# KiCad board 9W_SYSKA.kicad_pcb (continued)
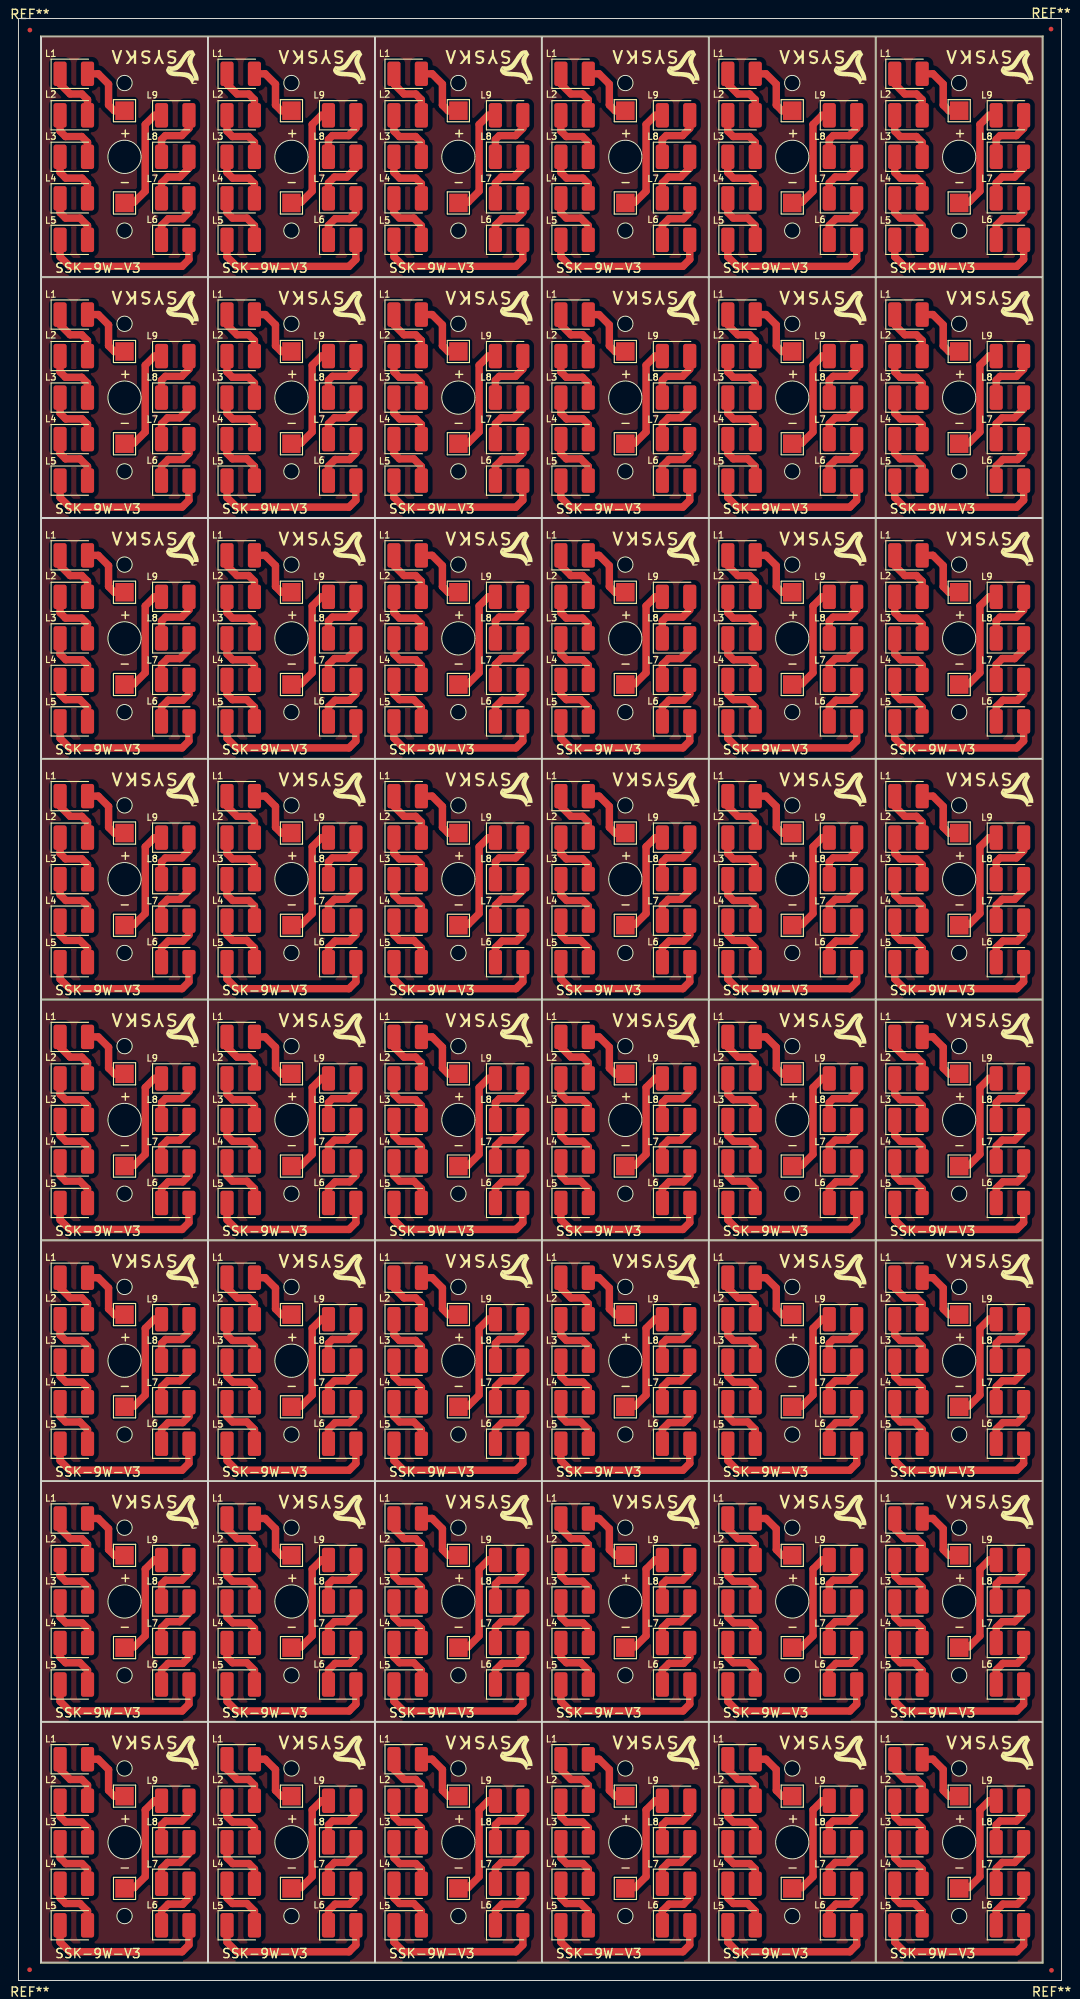
[diagram p0: board, top side]
## Routing (per net, layer and track width the routed paths; a pad name or vN(x,y) marks a point on that pad's centre or on a via; arc(x,y) is an arc through that point) (continued)
Net-(L4-K): length 319
  Top w0.8: L4#4.1 58.81,165.55 59.41,164.95 60.97,164.95 61.79,164.13 L5#24.2 ; L4#27.1 95.01,165.55 95.61,164.95 97.17,164.95 97.99,164.13 L5#27.2 ; 40.72,114.89 40.72,113.35 41.31,112.75 42.87,112.75 43.69,111.93 L5#38.2 ; L5#43.2 43.69,59.73 42.87,60.55 41.31,60.55 40.72,61.15 40.72,62.69 ; L4#5.1 22.61,8.95 23.21,8.35 24.77,8.35 25.59,7.53 L5#32.2 ; L4#16.1 95.01,8.95 95.61,8.35 97.17,8.35 97.99,7.53 L5#5.2 ; L5#6.2 43.69,7.53 42.87,8.35 41.31,8.35 40.72,8.95 40.72,10.49 ; L4#21.1 76.91,191.65 77.51,191.05 79.07,191.05 79.89,190.23 L5.2 ; L5#9.2 79.89,138.03 79.07,138.85 77.51,138.85 76.91,139.45 L4#25.1 ; L4#18.1 40.71,139.45 41.31,138.85 42.87,138.85 43.69,138.03 L5#46.2 ; L5#15.2 61.79,7.53 60.97,8.35 59.41,8.35 58.81,8.95 L4#45.1 ; L5#39.2 7.49,111.93 6.67,112.75 5.11,112.75 4.52,113.35 L4#39.1 ; L5#26.2 79.89,111.93 79.07,112.75 77.51,112.75 76.91,113.35 L4#3.1 ; L4#7.1 22.61,61.15 23.21,60.55 24.77,60.55 25.59,59.73 L5#33.2 ; L5#36.2 97.99,138.03 97.17,138.85 95.61,138.85 95.01,139.45 L4.1 ; L5#14.2 79.89,85.83 79.07,86.65 77.51,86.65 76.91,87.25 L4#31.1 ; L5#41.2 7.49,164.13 6.67,164.95 5.11,164.95 4.51,165.55 L4#8.1 ; L5#34.2 97.99,33.63 97.17,34.45 95.61,34.45 95.01,35.05 L4#10.1 ; L4#24.1 22.61,165.55 23.21,164.95 24.77,164.95 25.59,164.13 L5#25.2 ; L4#36.1 22.61,87.25 23.21,86.65 24.77,86.65 25.59,85.83 L5#45.2 ; L5#8.2 7.49,138.03 6.67,138.85 5.11,138.85 4.51,139.45 L4#35.1 ; L5#44.2 79.89,59.73 79.07,60.55 77.51,60.55 76.91,61.15 L4#42.1 ; L5#12.2 79.89,33.63 79.07,34.45 77.51,34.45 76.91,35.05 L4#14.1 ; L4#29.1 4.51,191.65 5.11,191.05 6.67,191.05 7.49,190.23 L5#29.2 ; L4#12.1 4.52,8.95 5.11,8.35 6.67,8.35 7.49,7.53 L5#18.2 ; L5#13.2 61.79,111.93 60.97,112.75 59.41,112.75 58.81,113.35 L4#22.1 ; L5#3.2 97.99,59.73 97.17,60.55 95.61,60.55 95.01,61.15 L4#48.1 ; L5#4.2 43.69,33.63 42.87,34.45 41.31,34.45 40.72,35.05 40.72,36.59 ; L4#20.1 4.52,87.25 5.11,86.65 6.67,86.65 7.49,85.83 L5#48.2 ; L5#7.2 25.59,190.23 24.77,191.05 23.21,191.05 22.61,191.65 L4#40.1 ; L5#42.2 97.99,190.23 97.17,191.05 95.61,191.05 95.01,191.65 L4#28.1 ; L4#33.1 22.61,35.05 23.21,34.45 24.77,34.45 25.59,33.63 L5#19.2 ; L5#16.2 61.79,85.83 60.97,86.65 59.41,86.65 58.81,87.25 L4#11.1 ; L5#28.2 43.69,164.13 42.87,164.95 41.31,164.95 40.71,165.55 L4#19.1 ; L4#34.1 76.91,165.55 77.51,164.95 79.07,164.95 79.89,164.13 L5#20.2 ; L5#2.2 61.79,59.73 60.97,60.55 59.41,60.55 58.81,61.15 L4#32.1 ; L5#10.2 25.59,138.03 24.77,138.85 23.21,138.85 22.61,139.45 L4#6.1 ; L5#30.2 61.79,190.23 60.97,191.05 59.41,191.05 58.81,191.65 L4#15.1 ; L5#11.2 7.49,33.63 6.67,34.45 5.11,34.45 4.52,35.05 L4#17.1 ; L5#22.2 97.99,85.83 97.17,86.65 95.61,86.65 95.01,87.25 L4#41.1 ; L5#37.2 79.89,7.53 79.07,8.35 77.51,8.35 76.91,8.95 L4#23.1 ; L4#38.1 95.01,113.35 95.61,112.75 97.17,112.75 97.99,111.93 L5#23.2 ; L5#40.2 61.79,138.03 60.97,138.85 59.41,138.85 58.81,139.45 L4#47.1 ; L4#26.1 4.52,61.15 5.11,60.55 6.67,60.55 7.49,59.73 L5#21.2 ; 40.72,88.79 40.72,87.25 41.31,86.65 42.87,86.65 43.69,85.83 L5#31.2 ; L4#30.1 58.81,35.05 59.41,34.45 60.97,34.45 61.79,33.63 L5#17.2 ; L5#47.2 25.59,111.93 24.77,112.75 23.21,112.75 22.61,113.35 L4#46.1 ; L5#35.2 43.69,190.23 42.87,191.05 41.31,191.05 40.71,191.65 L4#44.1
Net-(L5-K): length 895.8
  Top w0.8: L6.2 72.79,56.07 72.04,55.32 59.86,55.32 58.81,56.37 L5#2.1 ; L5#44.1 76.91,56.37 77.96,55.32 90.14,55.32 90.89,56.07 L6#39.2 ; L5#18.1 4.52,4.17 5.56,3.12 17.74,3.12 18.49,3.87 L6#6.2 ; L6#9.2 36.59,56.07 35.84,55.32 23.66,55.32 22.61,56.37 L5#33.1 ; L6#29.2 72.79,82.17 72.04,81.42 59.86,81.42 58.81,82.47 L5#16.1 ; L6#20.2 90.89,29.97 90.14,29.22 77.96,29.22 76.91,30.27 L5#12.1 ; L6#30.2 72.79,108.27 72.04,107.52 59.86,107.52 58.81,108.57 L5#13.1 ; L6#31.2 54.69,82.17 53.94,81.42 41.76,81.42 40.72,82.47 40.72,84.29 ; L5#28.1 40.71,160.77 41.76,159.72 53.94,159.72 54.69,160.47 L6#47.2 ; L5#17.1 58.81,30.27 59.86,29.22 72.04,29.22 72.79,29.97 L6#46.2 ; L6#48.2 54.69,56.07 53.94,55.32 41.76,55.32 40.72,56.37 40.72,58.19 ; L5#41.1 4.51,160.77 5.56,159.72 17.74,159.72 18.49,160.47 L6#26.2 ; L6#38.2 18.49,56.07 17.74,55.32 5.56,55.32 4.52,56.37 L5#21.1 ; L6#33.2 72.79,160.47 72.04,159.72 59.86,159.72 58.81,160.77 L5#24.1 ; L6#25.2 72.79,134.37 72.04,133.62 59.86,133.62 58.81,134.67 L5#40.1 ; L6#7.2 36.59,3.87 35.84,3.12 23.66,3.12 22.61,4.17 L5#32.1 ; L5#34.1 95.01,30.27 96.06,29.22 108.24,29.22 108.99,29.97 L6#2.2 ; L5#19.1 22.61,30.27 23.66,29.22 35.84,29.22 36.59,29.97 L6#8.2 ; L6#15.2 18.49,29.97 17.74,29.22 5.56,29.22 4.52,30.27 L5#11.1 ; L5#20.1 76.91,160.77 77.96,159.72 90.14,159.72 90.89,160.47 L6#11.2 ; L6#22.2 108.99,82.17 108.24,81.42 96.06,81.42 95.01,82.47 L5#22.1 ; L6#34.2 108.99,186.57 108.24,185.82 96.06,185.82 95.01,186.87 L5#42.1 ; L6#3.2 36.59,134.37 35.84,133.62 23.66,133.62 22.61,134.67 L5#10.1 ; 40.72,5.99 40.72,4.17 41.76,3.12 53.94,3.12 54.69,3.87 L6#43.2 ; L5#30.1 58.81,186.87 59.86,185.82 72.04,185.82 72.79,186.57 L6#23.2 ; L5#8.1 4.51,134.67 5.56,133.62 17.74,133.62 18.49,134.37 L6#13.2 ; L5#35.1 40.71,186.87 41.76,185.82 53.94,185.82 54.69,186.57 L6#40.2 ; L6#10.2 54.69,108.27 53.94,107.52 41.76,107.52 40.72,108.57 40.72,110.39 ; L6#41.2 18.49,82.17 17.74,81.42 5.56,81.42 4.52,82.47 L5#48.1 ; L5#14.1 76.91,82.47 77.96,81.42 90.14,81.42 90.89,82.17 L6#16.2 ; L5#7.1 22.61,186.87 23.66,185.82 35.84,185.82 36.59,186.57 L6#17.2 ; L6#19.2 90.89,108.27 90.14,107.52 77.96,107.52 76.91,108.57 L5#26.1 ; L5#9.1 76.91,134.67 77.96,133.62 90.14,133.62 90.89,134.37 L6#18.2 ; L5#39.1 4.52,108.57 5.56,107.52 17.74,107.52 18.49,108.27 L6#44.2 ; L6#21.2 72.79,3.87 72.04,3.12 59.86,3.12 58.81,4.17 L5#15.1 ; L6#37.2 36.59,108.27 35.84,107.52 23.66,107.52 22.61,108.57 L5#47.1 ; L5#45.1 22.61,82.47 23.66,81.42 35.84,81.42 36.59,82.17 L6#12.2 ; L6#14.2 54.69,134.37 53.94,133.62 41.76,133.62 40.71,134.67 L5#46.1 ; L5#37.1 76.91,4.17 77.96,3.12 90.14,3.12 90.89,3.87 L6#5.2 ; L5#27.1 95.01,160.77 96.06,159.72 108.24,159.72 108.99,160.47 L6#36.2 ; 40.72,32.09 40.72,30.27 41.76,29.22 53.94,29.22 54.69,29.97 L6#4.2 ; L5#5.1 95.01,4.17 96.06,3.12 108.24,3.12 108.99,3.87 L6#24.2 ; L6#32.2 36.59,160.47 35.84,159.72 23.66,159.72 22.61,160.77 L5#25.1 ; L6#45.2 18.49,186.57 17.74,185.82 5.56,185.82 4.51,186.87 L5#29.1 ; L5.1 76.91,186.87 77.96,185.82 90.14,185.82 90.89,186.57 L6#28.2 ; L5#3.1 95.01,56.37 96.06,55.32 108.24,55.32 108.99,56.07 L6#35.2 ; L6#27.2 108.99,108.27 108.24,107.52 96.06,107.52 95.01,108.57 L5#23.1 ; L6#42.2 108.99,134.37 108.24,133.62 96.06,133.62 95.01,134.67 L5#36.1
Net-(L6-K): length 319.6
  Top w0.8: 51.72,5.99 51.72,7.56 52.43,8.28 54.01,8.28 54.69,8.96 L7#31.2 ; L6#19.1 87.91,111.96 88.63,112.68 90.21,112.68 90.89,113.36 L7#13.2 ; L6#3.1 33.61,138.06 34.33,138.78 35.91,138.78 36.59,139.46 L7#5.2 ; L7#22.2 54.69,87.26 54.01,86.58 52.43,86.58 51.72,85.86 51.72,84.29 ; L7#39.2 36.59,35.06 35.91,34.38 34.33,34.38 33.62,33.66 33.62,32.09 ; L7#9.2 108.99,8.96 108.31,8.28 106.73,8.28 106.01,7.56 L6#24.1 ; L6#33.1 69.81,164.16 70.53,164.88 72.11,164.88 72.79,165.56 L7#47.2 ; L7#2.2 36.59,191.66 35.91,190.98 34.33,190.98 33.61,190.26 L6#17.1 ; L6#5.1 87.91,7.56 88.63,8.28 90.21,8.28 90.89,8.96 L7#48.2 ; L7#17.2 36.59,113.36 35.91,112.68 34.33,112.68 33.62,111.96 33.62,110.39 ; L7#3.2 108.99,139.46 108.31,138.78 106.73,138.78 106.01,138.06 L6#42.1 ; L7#18.2 108.99,165.56 108.31,164.88 106.73,164.88 106.01,164.16 L6#36.1 ; L7#29.2 54.69,165.56 54.01,164.88 52.43,164.88 51.71,164.16 L6#47.1 ; L7#26.2 36.59,87.26 35.91,86.58 34.33,86.58 33.62,85.86 33.62,84.29 ; L7#34.2 18.49,191.66 17.81,190.98 16.23,190.98 15.51,190.26 L6#45.1 ; L6#44.1 15.52,111.96 16.23,112.68 17.81,112.68 18.49,113.36 L7#35.2 ; L6#25.1 69.81,138.06 70.53,138.78 72.11,138.78 72.79,139.46 L7#7.2 ; L6#15.1 15.52,33.66 16.23,34.38 17.81,34.38 18.49,35.06 L7#46.2 ; L6#35.1 106.01,59.76 106.73,60.48 108.31,60.48 108.99,61.16 L7#43.2 ; 51.72,58.19 51.72,59.76 52.43,60.48 54.01,60.48 54.69,61.16 L7#33.2 ; L7#24.2 90.89,165.56 90.21,164.88 88.63,164.88 87.91,164.16 L6#11.1 ; L6.1 69.81,59.76 70.53,60.48 72.11,60.48 72.79,61.16 L7#30.2 ; L7#28.2 90.89,61.16 90.21,60.48 88.63,60.48 87.91,59.76 L6#39.1 ; L7#15.2 54.69,35.06 54.01,34.38 52.43,34.38 51.72,33.66 51.72,32.09 ; L7#14.2 108.99,87.26 108.31,86.58 106.73,86.58 106.01,85.86 L6#22.1 ; L6#38.1 15.52,59.76 16.23,60.48 17.81,60.48 18.49,61.16 L7#41.2 ; L6#20.1 87.91,33.66 88.63,34.38 90.21,34.38 90.89,35.06 L7#21.2 ; L7#11.2 36.59,165.56 35.91,164.88 34.33,164.88 33.61,164.16 L6#32.1 ; L6#23.1 69.81,190.26 70.53,190.98 72.11,190.98 72.79,191.66 L7#45.2 ; L6#13.1 15.51,138.06 16.23,138.78 17.81,138.78 18.49,139.46 L7#10.2 ; L6#6.1 15.52,7.56 16.23,8.28 17.81,8.28 18.49,8.96 L7#44.2 ; L7#27.2 108.99,113.36 108.31,112.68 106.73,112.68 106.01,111.96 L6#27.1 ; 33.62,58.19 33.62,59.76 34.33,60.48 35.91,60.48 36.59,61.16 L7#37.2 ; L7#32.2 54.69,191.66 54.01,190.98 52.43,190.98 51.71,190.26 L6#40.1 ; L6#2.1 106.01,33.66 106.73,34.38 108.31,34.38 108.99,35.06 L7#36.2 ; L7#16.2 90.89,139.46 90.21,138.78 88.63,138.78 87.91,138.06 L6#18.1 ; L7#38.2 18.49,87.26 17.81,86.58 16.23,86.58 15.52,85.86 L6#41.1 ; L6#26.1 15.51,164.16 16.23,164.88 17.81,164.88 18.49,165.56 L7#25.2 ; 33.62,5.99 33.62,7.56 34.33,8.28 35.91,8.28 36.59,8.96 L7#4.2 ; L7#8.2 54.69,113.36 54.01,112.68 52.43,112.68 51.72,111.96 51.72,110.39 ; L6#34.1 106.01,190.26 106.73,190.98 108.31,190.98 108.99,191.66 L7#23.2 ; L6#28.1 87.91,190.26 88.63,190.98 90.21,190.98 90.89,191.66 L7#42.2 ; L6#14.1 51.71,138.06 52.43,138.78 54.01,138.78 54.69,139.46 L7#6.2 ; L6#46.1 69.81,33.66 70.53,34.38 72.11,34.38 72.79,35.06 L7#12.2 ; L6#21.1 69.81,7.56 70.53,8.28 72.11,8.28 72.79,8.96 L7.2 ; L6#30.1 69.81,111.96 70.53,112.68 72.11,112.68 72.79,113.36 L7#20.2 ; L7#40.2 90.89,87.26 90.21,86.58 88.63,86.58 87.91,85.86 L6#16.1 ; L6#29.1 69.81,85.86 70.53,86.58 72.11,86.58 72.79,87.26 L7#19.2
Net-(L7-K): length 313.1
  Top w0.8: L7#25.1 15.51,168.75 16.16,169.4 17.51,169.4 18.49,170.38 L8#26.2 ; L8#32.2 90.89,92.08 89.91,91.1 88.56,91.1 87.91,90.45 L7#40.1 ; L8#44.2 54.69,170.38 53.71,169.4 52.36,169.4 51.71,168.75 L7#29.1 ; L8#15.2 72.79,92.08 71.81,91.1 70.46,91.1 69.81,90.45 L7#19.1 ; L8#7.2 18.49,13.78 17.51,12.8 16.16,12.8 15.52,12.15 L7#44.1 ; L7#42.1 87.91,194.85 88.56,195.5 89.91,195.5 90.89,196.48 L8#27.2 ; L7#32.1 51.71,194.85 52.36,195.5 53.71,195.5 54.69,196.48 L8#22.2 ; L8#28.2 90.89,13.78 89.91,12.8 88.56,12.8 87.91,12.15 L7#48.1 ; L8#43.2 36.59,144.28 35.61,143.3 34.26,143.3 33.61,142.65 L7#5.1 ; L8#30.2 72.79,170.38 71.81,169.4 70.46,169.4 69.81,168.75 L7#47.1 ; L7#45.1 69.81,194.85 70.46,195.5 71.81,195.5 72.79,196.48 L8#14.2 ; 51.72,10.49 51.72,12.15 52.36,12.8 53.71,12.8 54.69,13.78 L8#9.2 ; L7#14.1 106.01,90.45 106.66,91.1 108.01,91.1 108.99,92.08 L8#33.2 ; L7#18.1 106.01,168.75 106.66,169.4 108.01,169.4 108.99,170.38 L8#5.2 ; L7#23.1 106.01,194.85 106.66,195.5 108.01,195.5 108.99,196.48 L8#21.2 ; L8#3.2 36.59,196.48 35.61,195.5 34.26,195.5 33.61,194.85 L7#2.1 ; L8#42.2 36.59,39.88 35.61,38.9 34.26,38.9 33.62,38.25 33.62,36.59 ; L8#25.2 72.79,13.78 71.81,12.8 70.46,12.8 69.81,12.15 L7.1 ; L7#35.1 15.52,116.55 16.16,117.2 17.51,117.2 18.49,118.18 L8#46.2 ; L8#11.2 18.49,65.98 17.51,65 16.16,65 15.52,64.35 L7#41.1 ; L7#27.1 106.01,116.55 106.66,117.2 108.01,117.2 108.99,118.18 L8#6.2 ; L8#48.2 72.79,144.28 71.81,143.3 70.46,143.3 69.81,142.65 L7#7.1 ; L8#19.2 18.49,196.48 17.51,195.5 16.16,195.5 15.51,194.85 L7#34.1 ; L7#11.1 33.61,168.75 34.26,169.4 35.61,169.4 36.59,170.38 L8#38.2 ; L8#37.2 18.49,39.88 17.51,38.9 16.16,38.9 15.52,38.25 L7#46.1 ; L8#29.2 18.49,92.08 17.51,91.1 16.16,91.1 15.52,90.45 L7#38.1 ; L7#28.1 87.91,64.35 88.56,65 89.91,65 90.89,65.98 L8#40.2 ; L8#12.2 18.49,144.28 17.51,143.3 16.16,143.3 15.51,142.65 L7#10.1 ; L8#36.2 72.79,65.98 71.81,65 70.46,65 69.81,64.35 L7#30.1 ; L8#13.2 36.59,13.78 35.61,12.8 34.26,12.8 33.62,12.15 33.62,10.49 ; L8#39.2 36.59,65.98 35.61,65 34.26,65 33.62,64.35 33.62,62.69 ; L7#16.1 87.91,142.65 88.56,143.3 89.91,143.3 90.89,144.28 L8#45.2 ; L8#16.2 90.89,170.38 89.91,169.4 88.56,169.4 87.91,168.75 L7#24.1 ; L7#9.1 106.01,12.15 106.66,12.8 108.01,12.8 108.99,13.78 L8#31.2 ; 51.72,114.89 51.72,116.55 52.36,117.2 53.71,117.2 54.69,118.18 L8#35.2 ; 51.72,88.79 51.72,90.45 52.36,91.1 53.71,91.1 54.69,92.08 L8.2 ; L8#34.2 72.79,118.18 71.81,117.2 70.46,117.2 69.81,116.55 L7#20.1 ; L8#47.2 54.69,144.28 53.71,143.3 52.36,143.3 51.71,142.65 L7#6.1 ; L8#10.2 72.79,39.88 71.81,38.9 70.46,38.9 69.81,38.25 L7#12.1 ; 33.62,88.79 33.62,90.45 34.26,91.1 35.61,91.1 36.59,92.08 L8#23.2 ; L8#8.2 108.99,65.98 108.01,65 106.66,65 106.01,64.35 L7#43.1 ; L8#20.2 108.99,39.88 108.01,38.9 106.66,38.9 106.01,38.25 L7#36.1 ; L8#24.2 90.89,39.88 89.91,38.9 88.56,38.9 87.91,38.25 L7#21.1 ; L8#41.2 90.89,118.18 89.91,117.2 88.56,117.2 87.91,116.55 L7#13.1 ; 51.72,62.69 51.72,64.35 52.36,65 53.71,65 54.69,65.98 L8#4.2 ; 51.72,36.59 51.72,38.25 52.36,38.9 53.71,38.9 54.69,39.88 L8#2.2 ; L8#17.2 108.99,144.28 108.01,143.3 106.66,143.3 106.01,142.65 L7#3.1 ; 33.62,114.89 33.62,116.55 34.26,117.2 35.61,117.2 36.59,118.18 L8#18.2
Net-(L8-K): length 324.9
  Top w0.8: L8#19.1 15.51,199.57 15.93,199.99 17.7,199.99 18.49,200.78 L9#3.2 ; L9#12.2 18.49,18.08 17.7,17.29 15.93,17.29 15.52,16.87 L8#7.1 ; L8#12.1 15.51,147.37 15.93,147.79 17.7,147.79 18.49,148.58 L9#48.2 ; L8#43.1 33.61,147.37 34.03,147.79 35.8,147.79 36.59,148.58 L9#2.2 ; L9#4.2 108.99,200.78 108.2,199.99 106.43,199.99 106.01,199.57 L8#21.1 ; 33.62,41.09 33.62,42.97 34.03,43.39 35.8,43.39 36.59,44.18 L9#22.2 ; L9#19.2 54.69,200.78 53.9,199.99 52.13,199.99 51.71,199.57 L8#22.1 ; L8#46.1 15.52,121.27 15.93,121.69 17.7,121.69 18.49,122.48 L9#13.2 ; L8#38.1 33.61,173.47 34.03,173.89 35.8,173.89 36.59,174.68 L9#23.2 ; 33.62,119.39 33.62,121.27 34.03,121.69 35.8,121.69 36.59,122.48 L9#28.2 ; 33.62,93.29 33.62,95.17 34.03,95.59 35.8,95.59 36.59,96.38 L9#18.2 ; L9#5.2 54.69,96.38 53.9,95.59 52.13,95.59 51.72,95.17 51.72,93.29 ; L9#35.2 54.69,122.48 53.9,121.69 52.13,121.69 51.72,121.27 51.72,119.39 ; L9#29.2 18.49,174.68 17.7,173.89 15.93,173.89 15.51,173.47 L8#26.1 ; L9#6.2 108.99,44.18 108.2,43.39 106.43,43.39 106.01,42.97 L8#20.1 ; L9#43.2 54.69,70.28 53.9,69.49 52.13,69.49 51.72,69.07 51.72,67.19 ; L8#33.1 106.01,95.17 106.43,95.59 108.2,95.59 108.99,96.38 L9#47.2 ; L9#40.2 72.79,122.48 72,121.69 70.23,121.69 69.81,121.27 L8#34.1 ; L9#33.2 72.79,200.78 72,199.99 70.23,199.99 69.81,199.57 L8#14.1 ; L9#21.2 108.99,122.48 108.2,121.69 106.43,121.69 106.01,121.27 L8#6.1 ; L9#36.2 108.99,18.08 108.2,17.29 106.43,17.29 106.01,16.87 L8#31.1 ; L9#20.2 54.69,174.68 53.9,173.89 52.13,173.89 51.71,173.47 L8#44.1 ; L8#28.1 87.91,16.87 88.33,17.29 90.1,17.29 90.89,18.08 L9#15.2 ; 51.72,14.99 51.72,16.87 52.13,17.29 53.9,17.29 54.69,18.08 L9#46.2 ; L8#11.1 15.52,69.07 15.93,69.49 17.7,69.49 18.49,70.28 L9#17.2 ; L9#7.2 90.89,122.48 90.1,121.69 88.33,121.69 87.91,121.27 L8#41.1 ; L8#3.1 33.61,199.57 34.03,199.99 35.8,199.99 36.59,200.78 L9#26.2 ; L8#15.1 69.81,95.17 70.23,95.59 72,95.59 72.79,96.38 L9#10.2 ; L8#32.1 87.91,95.17 88.33,95.59 90.1,95.59 90.89,96.38 L9#42.2 ; L8#45.1 87.91,147.37 88.33,147.79 90.1,147.79 90.89,148.58 L9#27.2 ; L8#10.1 69.81,42.97 70.23,43.39 72,43.39 72.79,44.18 L9#24.2 ; L8#47.1 51.71,147.37 52.13,147.79 53.9,147.79 54.69,148.58 L9#30.2 ; L9#38.2 90.89,200.78 90.1,199.99 88.33,199.99 87.91,199.57 L8#27.1 ; L8#16.1 87.91,173.47 88.33,173.89 90.1,173.89 90.89,174.68 L9#16.2 ; 33.62,67.19 33.62,69.07 34.03,69.49 35.8,69.49 36.59,70.28 L9#9.2 ; L9#41.2 72.79,70.28 72,69.49 70.23,69.49 69.81,69.07 L8#36.1 ; L8#17.1 106.01,147.37 106.43,147.79 108.2,147.79 108.99,148.58 L9#37.2 ; L9#32.2 72.79,174.68 72,173.89 70.23,173.89 69.81,173.47 L8#30.1 ; L8#37.1 15.52,42.97 15.93,43.39 17.7,43.39 18.49,44.18 L9#34.2 ; L9#14.2 72.79,18.08 72,17.29 70.23,17.29 69.81,16.87 L8#25.1 ; L8#8.1 106.01,69.07 106.43,69.49 108.2,69.49 108.99,70.28 L9.2 ; L8#48.1 69.81,147.37 70.23,147.79 72,147.79 72.79,148.58 L9#8.2 ; L8#40.1 87.91,69.07 88.33,69.49 90.1,69.49 90.89,70.28 L9#11.2 ; L9#39.2 108.99,174.68 108.2,173.89 106.43,173.89 106.01,173.47 L8#5.1 ; L8#24.1 87.91,42.97 88.33,43.39 90.1,43.39 90.89,44.18 L9#44.2 ; L9#31.2 18.49,96.38 17.7,95.59 15.93,95.59 15.52,95.17 L8#29.1 ; L9#45.2 54.69,44.18 53.9,43.39 52.13,43.39 51.72,42.97 51.72,41.09 ; L9#25.2 36.59,18.08 35.8,17.29 34.03,17.29 33.62,16.87 33.62,14.99

## Copper pours and planes (outline as drawn; the poured copper is in the pictures)
(no net) on Top: 38.7,106.28 56.7,106.28 56.7,80.28 38.7,80.28
(no net) on Top: 93,54.08 111,54.08 111,28.08 93,28.08
(no net) on Top: 74.9,210.68 92.9,210.68 92.9,184.68 74.9,184.68
(no net) on Top: 2.5,184.58 20.5,184.58 20.5,158.58 2.5,158.58
(no net) on Top: 20.6,54.08 38.6,54.08 38.6,28.08 20.6,28.08
(no net) on Top: 20.6,184.58 38.6,184.58 38.6,158.58 20.6,158.58
(no net) on Top: 74.9,54.08 92.9,54.08 92.9,28.08 74.9,28.08
(no net) on Top: 93,106.28 111,106.28 111,80.28 93,80.28
(no net) on Top: 74.9,106.28 92.9,106.28 92.9,80.28 74.9,80.28
(no net) on Top: 20.6,210.68 38.6,210.68 38.6,184.68 20.6,184.68
(no net) on Top: 2.5,210.68 20.5,210.68 20.5,184.68 2.5,184.68
(no net) on Top: 93,27.98 111,27.98 111,1.98 93,1.98
(no net) on Top: 56.8,106.28 74.8,106.28 74.8,80.28 56.8,80.28
(no net) on Top: 20.6,80.18 38.6,80.18 38.6,54.18 20.6,54.18
(no net) on Top: 2.5,158.48 20.5,158.48 20.5,132.48 2.5,132.48
(no net) on Top: 2.5,27.98 20.5,27.98 20.5,1.98 2.5,1.98
(no net) on Top: 56.8,158.48 74.8,158.48 74.8,132.48 56.8,132.48
(no net) on Top: 38.7,210.68 56.7,210.68 56.7,184.68 38.7,184.68
(no net) on Top: 38.7,54.08 56.7,54.08 56.7,28.08 38.7,28.08
(no net) on Top: 20.6,27.98 38.6,27.98 38.6,1.98 20.6,1.98
(no net) on Top: 74.9,132.38 92.9,132.38 92.9,106.38 74.9,106.38
(no net) on Top: 38.7,132.38 56.7,132.38 56.7,106.38 38.7,106.38
(no net) on Top: 56.8,80.18 74.8,80.18 74.8,54.18 56.8,54.18
(no net) on Top: 93,210.68 111,210.68 111,184.68 93,184.68
(no net) on Top: 74.9,80.18 92.9,80.18 92.9,54.18 74.9,54.18
(no net) on Top: 38.7,27.98 56.7,27.98 56.7,1.98 38.7,1.98
(no net) on Top: 56.8,184.58 74.8,184.58 74.8,158.58 56.8,158.58
(no net) on Top: 2.5,106.28 20.5,106.28 20.5,80.28 2.5,80.28
(no net) on Top: 56.8,54.08 74.8,54.08 74.8,28.08 56.8,28.08
(no net) on Top: 20.6,132.38 38.6,132.38 38.6,106.38 20.6,106.38
(no net) on Top: 93,158.48 111,158.48 111,132.48 93,132.48
(no net) on Top: 74.9,158.48 92.9,158.48 92.9,132.48 74.9,132.48
(no net) on Top: 93,184.58 111,184.58 111,158.58 93,158.58
(no net) on Top: 38.7,184.58 56.7,184.58 56.7,158.58 38.7,158.58
(no net) on Top: 2.5,54.08 20.5,54.08 20.5,28.08 2.5,28.08
(no net) on Top: 74.9,184.58 92.9,184.58 92.9,158.58 74.9,158.58
(no net) on Top: 2.5,80.18 20.5,80.18 20.5,54.18 2.5,54.18
(no net) on Top: 93,132.38 111,132.38 111,106.38 93,106.38
(no net) on Top: 20.6,106.28 38.6,106.28 38.6,80.28 20.6,80.28
(no net) on Top: 56.8,210.68 74.8,210.68 74.8,184.68 56.8,184.68
(no net) on Top: 56.8,27.98 74.8,27.98 74.8,1.98 56.8,1.98
(no net) on Top: 2.5,132.38 20.5,132.38 20.5,106.38 2.5,106.38
(no net) on Top: 38.7,80.18 56.7,80.18 56.7,54.18 38.7,54.18
(no net) on Top: 93,80.18 111,80.18 111,54.18 93,54.18
(no net) on Top: 56.8,132.38 74.8,132.38 74.8,106.38 56.8,106.38
(no net) on Top: 74.9,27.98 92.9,27.98 92.9,1.98 74.9,1.98
(no net) on Top: 38.7,158.48 56.7,158.48 56.7,132.48 38.7,132.48
(no net) on Top: 20.6,158.48 38.6,158.48 38.6,132.48 20.6,132.48

## Text on the board
F.Silkscreen: SSK-9W-V3
